# KiCad board mxm_immobilizer.kicad_pcb (continued)
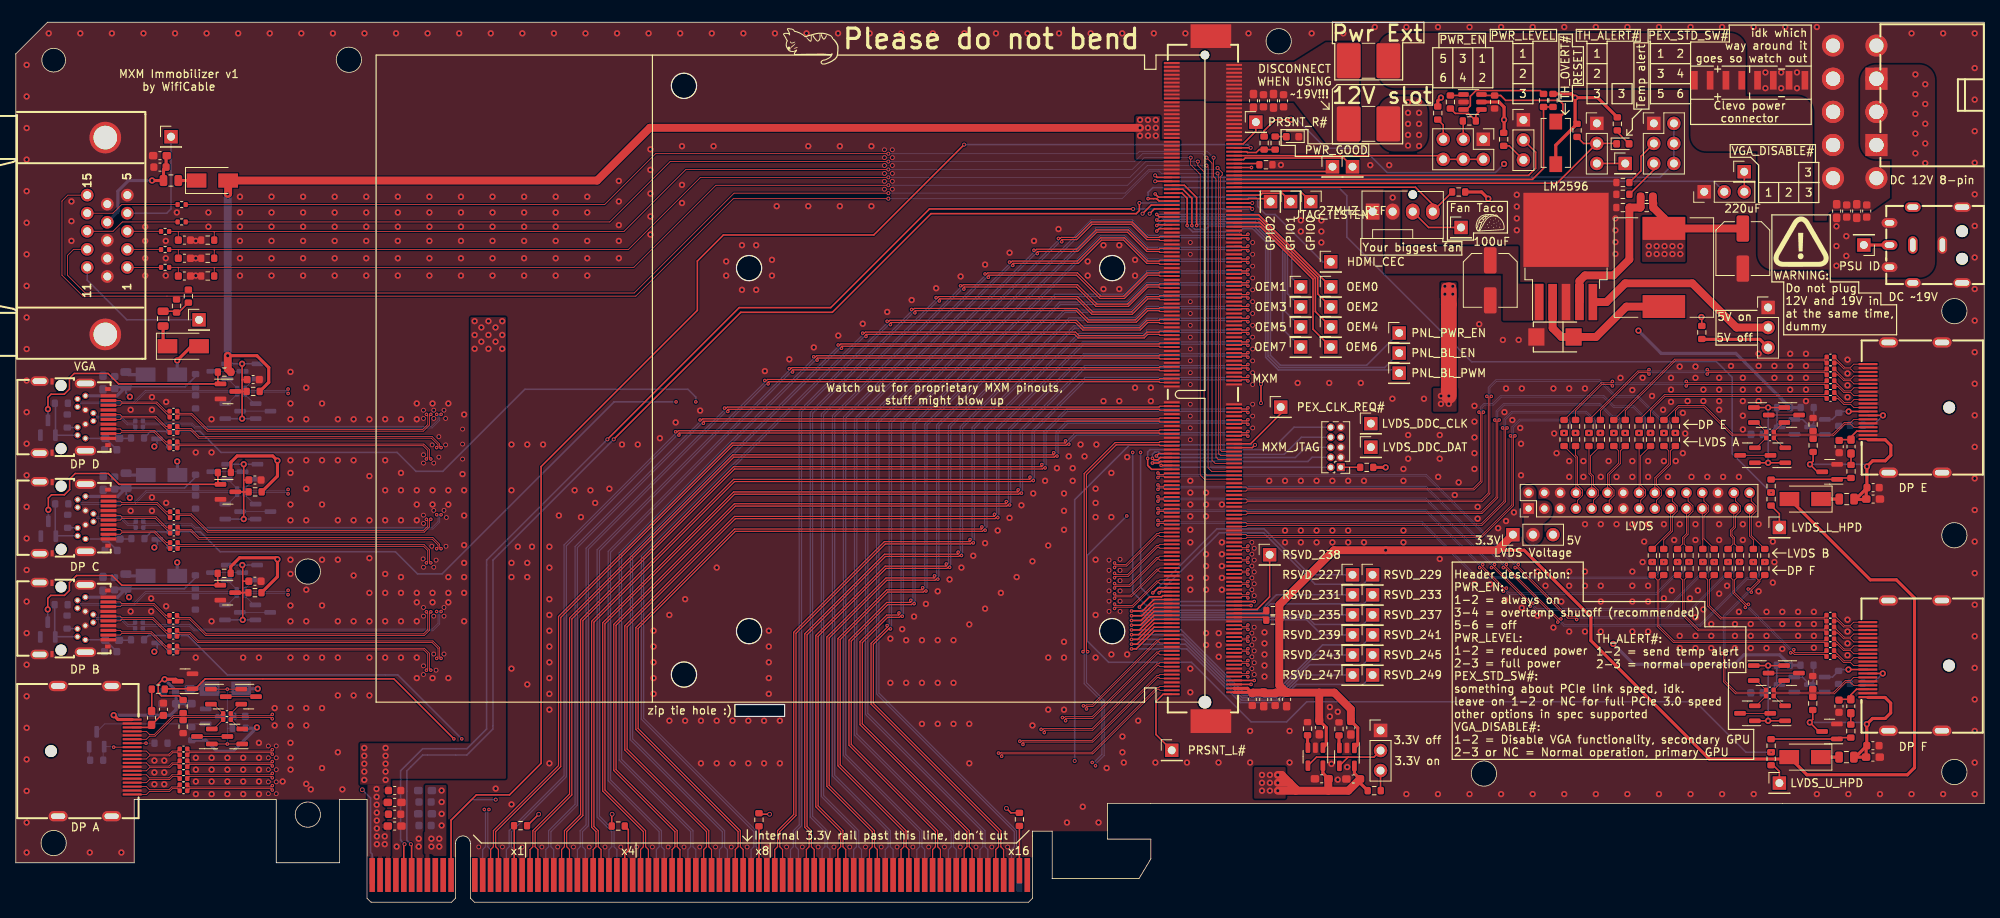
[diagram p0: board, top side]
## Copper pours and planes (outline as drawn; the poured copper is in the pictures) (continued)
GND on In4.Cu: 249.35,12.5 138.3,12.5 138.3,9 128.8,9 128.8,5.55 57.6,5.55 57.6,7.45 57.4,8.2 56.65,8.4 55.9,8.2 55.7,7.45 55.7,5.55 44.5,5.55 44.5,13 14.98,13 14.98,5 -0.02,5 -0.02,107.5 3.98,111.5 249.35,111.5
/MXM_PWR_SRC on Top: 170.2,96.22 165.95,96.22 161.95,101.47 150.7,101.47 150.7,101.72 145.45,101.72 145.45,106.47 161.95,106.47 165.95,108.97 170.2,108.97
LVDS_VCC on Top: 192.65,50.9 194.65,50.9 194.65,48.9 193.45,47.9 193.45,45.3 191.05,45.3 191.05,48.9 190.65,48.9 190.65,52.9 192.65,52.9
LVDS_VCC on Bottom: 192.64,50.9 194.64,50.9 194.64,48.9 193.44,47.9 193.44,45.3 191.04,45.3 191.04,48.9 190.64,48.9 190.64,52.9 192.64,52.9
PWR_Ext on Top: 227.66,102.15 227.66,86.15 231.44,86.15 231.44,80.15 220.66,80.15 220.66,95.15 212.16,95.15 212.16,103.15 172.66,103.15 172.66,110.15 219.16,110.15 219.16,102.15
PWR_Ext on Top: 243.16,79.15 229.66,79.15 229.66,87.4 235.16,87.4 237.66,89.15 237.66,94.15 233.66,94.15 233.66,106.15 243.16,106.15
PWR_Ext on Bottom: 243.16,79.15 229.66,79.15 229.66,87.4 235.16,87.4 237.66,89.15 237.66,94.15 233.66,94.15 233.66,106.15 243.16,106.15

## Text on the board
B.Silkscreen: Header description: / PWR_EN: / 1-2 = always on / 3-4 = overtemp shutoff (recommended) / 5-6 = off / PWR_LEVEL: / 1-2 = reduced power / 2-3 = full power / PEX_STD_SW#: / something about PCIe link speed, idk. / leave on 1-2 or NC for full PCIe 3.0 speed / other options in spec supported / VGA_DISABLE#: / 1-2 = Disable VGA functionality, secondary GPU / 2-3 or NC = Normal operation, primary GPU | TH_ALERT#: / 1-2 = send temp alert / 2-3 = normal operation | Your biggest fan | 3.3V off | 3.3V on | Fan Taco | PWR_EN | 5  3  1 | 6  4  2 | PWR_LEVEL | 1 | 2 | 3 | 3.3V           5V | LVDS Voltage | TH_ALERT# | 1  2 | 3  4 | 5  6 | PEX_STD_SW# | 5V on | 5V off | VGA_DISABLE# | DC ~19V | DC 12V 8-pin / on the back | v1 / by WifiCable | MXM IMMOBILIZER
F.Silkscreen: Header description: / PWR_EN: / 1-2 = always on / 3-4 = overtemp shutoff (recommended) / 5-6 = off / PWR_LEVEL: / 1-2 = reduced power / 2-3 = full power / PEX_STD_SW#: / something about PCIe link speed, idk. / leave on 1-2 or NC for full PCIe 3.0 speed / other options in spec supported / VGA_DISABLE#: / 1-2 = Disable VGA functionality, secondary GPU / 2-3 or NC = Normal operation, primary GPU | TH_ALERT#: / 1-2 = send temp alert / 2-3 = normal operation | WARNING: / Do not plug / 12V and 19V in / at the same time, / dummy | VGA | DP D | DP C | DP B | DP A | MXM Immobilizer v1 / by WifiCable | x1 | x4 | zip tie hole :) | x8 | Internal 3.3V rail past this line, don't cut | Watch out for proprietary MXM pinouts, / stuff might blow up | x16 | MXM | DISCONNECT / WHEN USING / ~19V!!! | PWR_GOOD | Your biggest fan | 3.3V off | 3.3V on | PWR_EN | 5  3  1 | 6  4  2 | Fan Taco | 100uF | PWR_LEVEL | 1 | 2 | 3 | 3.3V           5V | LVDS Voltage | LM2596 | TH_ALERT# | LVDS | 1  2 | 3  4 | 5  6 | PEX_STD_SW# | DP E | LVDS A | 5V on | 5V off | 220uF | +         - | Clevo power / connector | VGA_DISABLE# | DP F | LVDS B | PSU ID | DC ~19V | DC 12V 8-pin | idk which / way around it / goes so watch out | TH_OVERT# / RESET | Temp alert | Pwr Ext | 12V slot | Please do not bend
